# KiCad board SparkFun_BMV080_panelized.kicad_pcb (continued)
## Routing (per net, layer and track width the routed paths; a pad name or vN(x,y) marks a point on that pad's centre or on a via; arc(x,y) is an arc through that point)
3.3V: length 2574.1
  Top w0.2: v1(89.89,77.54) 89.89,76.83 89.56,76.51 R1#40.1 88.78,76.25 86.76,76.25 R2#28.1 ; U1#5.10 82.22,54.44 82.04,54.26 C1#38.1 ; R2#45.1 136.02,10.25 138.04,10.25 R1#29.1 138.82,10.51 139.15,10.83 v1(139.15,11.54) ; C1#19.1 v1(57.41,54.5) C2#27.1 ; C1#19.1 57.41,54.26 57.59,54.44 58.55,54.44 ; C1#19.1 57.59,55.04 58.55,55.04 ; C1#6.1 v1(8.15,94.1) C2#20.1 ; C1#6.1 8.15,93.86 8.33,94.04 U1#33.10 ; C1#6.1 8.33,94.64 U1#33.8 ; R2#12.1 12.87,76.25 14.89,76.25 R1#49.1 15.67,76.51 16,76.83 v1(16,77.54) ; R2#46.1 136.02,115.85 138.04,115.85 R1#47.1 138.82,116.11 139.15,116.43 v1(139.15,117.14) ; C2#30.1 v1(82.04,41.3) C1#29.1 ; R2#35.1 86.76,102.65 88.78,102.65 R1#33.1 89.56,102.91 89.89,103.23 v1(89.89,103.94) ; C1#44.1 v1(131.3,107.3) C2#54.1 ; C1#44.1 131.3,107.06 131.48,107.24 U1#21.10 ; C1#44.1 131.48,107.84 U1#21.8 ; R2#48.1 136.02,89.45 138.04,89.45 R1#46.1 138.82,89.71 139.15,90.03 v1(139.15,90.74) ; C1#26.1 82.04,14.66 82.22,14.84 U1#9.10 ; C1#26.1 v1(82.04,14.9) C2#31.1 ; C1#26.1 82.22,15.44 U1#9.8 ; C2#36.1 v1(131.3,54.5) C1#51.1 ; C1#4.1 32.96,41.84 U1#46.8 ; C1#4.1 v1(32.78,41.3) C2#21.1 ; C1#4.1 32.78,41.06 32.96,41.24 U1#46.10 ; v1(45.58,38.89) 45.58,37.43 46.12,36.89 46.96,36.89 46.96,36.89 R4#4.1 ; U1#19.10 106.85,120.44 106.67,120.26 C1#49.1 ; R2#27.1 86.76,89.45 88.78,89.45 R1#31.1 89.56,89.71 89.89,90.03 v1(89.89,90.74) ; C1#31.1 82.04,107.06 82.22,107.24 U1#10.10 ; C1#31.1 82.22,107.84 U1#10.8 ; C1#31.1 v1(82.04,107.3) C2#46.1 ; R2#10.1 12.87,49.85 14.89,49.85 R1#48.1 15.67,50.11 16,50.43 v1(16,51.14) ; U1#37.8 8.33,107.84 C1#15.1 ; C2#12.1 v1(8.15,67.7) C1#14.1 ; v1(65.26,51.14) 65.26,50.43 64.93,50.11 R1#20.1 64.15,49.85 62.13,49.85 R2#23.1 ; R2#5.1 37.5,89.45 39.52,89.45 R1#11.1 40.3,89.71 40.63,90.03 v1(40.63,90.74) ; C2#33.1 v1(82.04,94.1) C1#39.1 ; C1#17.1 32.78,107.06 32.96,107.24 U1#53.10 ; C1#17.1 v1(32.78,107.3) C2#17.1 ; C1#17.1 32.96,107.84 U1#53.8 ; C1#52.1 131.48,68.24 U1#22.8 ; C1#52.1 131.3,67.46 131.48,67.64 U1#22.10 ; C1#52.1 v1(131.3,67.7) C2#45.1 ; R4#24.1 120.85,63.29 120.85,63.29 120.01,63.29 119.47,63.83 v1(119.47,65.29) ; v1(65.26,11.54) 65.26,10.83 64.93,10.51 R1#2.1 64.15,10.25 62.13,10.25 R2#22.1 ; C1#29.1 82.22,41.84 U1#16.8 ; C1#29.1 82.04,41.06 82.22,41.24 U1#16.10 ; R2#54.1 12.87,10.25 14.89,10.25 R1#54.1 15.67,10.51 16,10.83 v1(16,11.54) ; v1(119.47,38.89) 119.47,37.43 120.01,36.89 120.85,36.89 120.85,36.89 R4#40.1 ; v1(114.52,117.14) 114.52,116.43 114.19,116.11 R1#42.1 113.41,115.85 111.39,115.85 R2#49.1 ; U1#29.8 8.33,41.84 C1#3.1 ; C1#32.1 57.41,93.86 57.59,94.04 58.55,94.04 ; C1#32.1 v1(57.41,94.1) C2#24.1 ; C1#32.1 57.59,94.64 58.55,94.64 ; C1#37.1 v1(57.41,80.9) C2#29.1 ; C1#37.1 57.41,80.66 57.59,80.84 58.55,80.84 ; C1#37.1 57.59,81.44 58.55,81.44 ; R4#30.1 96.22,23.69 96.22,23.69 95.38,23.69 94.84,24.23 v1(94.84,25.69) ; U1#7.8 82.22,68.24 C1#30.1 ; v1(20.95,91.69) 20.95,90.23 21.49,89.69 22.33,89.69 22.33,89.69 R4#7.1 ; v1(20.95,78.49) 20.95,77.03 21.49,76.49 22.33,76.49 22.33,76.49 R4#6.1 ; C1#40.1 v1(106.67,41.3) C2#47.1 ; C1#40.1 106.67,41.06 106.85,41.24 U1#18.10 ; C1#40.1 106.85,41.84 U1#18.8 ; C2#3.1 v1(8.15,41.3) C1#3.1 ; R2#9.1 37.5,76.25 39.52,76.25 R1#9.1 40.3,76.51 40.63,76.83 v1(40.63,77.54) ; v1(139.15,37.94) 139.15,37.23 138.82,36.91 R1#26.1 138.04,36.65 136.02,36.65 R2#47.1 ; v1(65.26,37.94) 65.26,37.23 64.93,36.91 R1#19.1 64.15,36.65 62.13,36.65 R2#21.1 ; 58.55,41.84 57.59,41.84 C1#25.1 ; U1#13.8 106.85,55.04 C1#36.1 ; v1(65.26,103.94) 65.26,103.23 64.93,102.91 R1#4.1 64.15,102.65 62.13,102.65 R2#18.1 ; v1(94.84,12.49) 94.84,11.03 95.38,10.49 96.22,10.49 96.22,10.49 R4#36.1 ; C1#9.1 8.15,54.26 8.33,54.44 U1#30.10 ; C1#9.1 8.33,55.04 U1#30.8 ; C1#9.1 v1(8.15,54.5) C2#8.1 ; U1#28.10 131.48,80.84 131.3,80.66 C1#43.1 ; U1#20.10 131.48,120.44 131.3,120.26 C1#53.1 ; R4#46.1 120.85,102.89 120.85,102.89 120.01,102.89 119.47,103.43 v1(119.47,104.89) ; R2#14.1 12.87,36.65 14.89,36.65 R1#53.1 15.67,36.91 16,37.23 v1(16,37.94) ; v1(144.1,78.49) 144.1,77.03 144.64,76.49 145.48,76.49 145.48,76.49 R4#47.1 ; v1(144.1,12.49) 144.1,11.03 144.64,10.49 145.48,10.49 145.48,10.49 R4#52.1 ; U1#25.10 131.48,14.84 131.3,14.66 C1#42.1 ; R2#34.1 86.76,10.25 88.78,10.25 R1#23.1 89.56,10.51 89.89,10.83 v1(89.89,11.54) ; C1#36.1 v1(106.67,54.5) C2#48.1 ; C1#36.1 106.67,54.26 106.85,54.44 U1#13.10 ; U1#49.8 32.96,81.44 C1#5.1 ; U1#24.10 131.48,54.44 131.3,54.26 C1#51.1 ; v1(65.26,24.74) 65.26,24.03 64.93,23.71 R1#18.1 64.15,23.45 62.13,23.45 R2#20.1 ; C1#15.1 v1(8.15,107.3) C2#19.1 ; C1#15.1 8.15,107.06 8.33,107.24 U1#37.10 ; U1#4.10 82.22,28.04 82.04,27.86 C1#24.1 ; R2#15.1 37.5,10.25 39.52,10.25 R1#15.1 40.3,10.51 40.63,10.83 v1(40.63,11.54) ; U1#47.8 8.33,121.04 C1.1 ; U1#2.10 106.85,28.04 106.67,27.86 C1#35.1 ; v1(45.58,12.49) 45.58,11.03 46.12,10.49 46.96,10.49 46.96,10.49 R4#8.1 ; U1#23.8 131.48,41.84 C1#50.1 ; C1#16.1 32.78,67.46 32.96,67.64 U1#48.10 ; C1#16.1 32.96,68.24 U1#48.8 ; C1#16.1 v1(32.78,67.7) C2#7.1 ; 58.55,107.84 57.59,107.84 C1#33.1 ; U1#6.8 82.22,81.44 C1#21.1 ; C1#54.1 v1(8.15,14.9) C2.1 ; C1#54.1 8.33,15.44 U1#54.8 ; C1#54.1 8.15,14.66 8.33,14.84 U1#54.10 ; U1#32.10 8.33,80.84 8.15,80.66 C1#10.1 ; U1#2.8 106.85,28.64 C1#35.1 ; U1#26.8 131.48,28.64 C1#46.1 ; C1#24.1 v1(82.04,28.1) C2#26.1 ; C1#24.1 82.22,28.64 U1#4.8 ; U1#51.8 32.96,121.04 C1#18.1 ; v1(65.26,64.34) 65.26,63.63 64.93,63.31 R1#3.1 64.15,63.05 62.13,63.05 R2#24.1 ; C1#35.1 v1(106.67,28.1) C2#50.1 ; C2#13.1 v1(32.78,120.5) C1#18.1 ; C1#42.1 v1(131.3,14.9) C2#43.1 ; C1#42.1 131.48,15.44 U1#25.8 ; v1(16,64.34) 16,63.63 15.67,63.31 R1#51.1 14.89,63.05 12.87,63.05 R2#11.1 ; U1#12.10 106.85,14.84 106.67,14.66 C1#34.1 ; R2#37.1 62.13,115.85 64.15,115.85 R1#22.1 64.93,116.11 65.26,116.43 v1(65.26,117.14) ; C1#28.1 57.41,120.26 57.59,120.44 58.55,120.44 ; C1#28.1 57.59,121.04 58.55,121.04 ; C1#28.1 v1(57.41,120.5) C2#25.1 ; C2#5.1 v1(57.41,41.3) C1#25.1 ; R2#8.1 37.5,49.85 39.52,49.85 R1#14.1 40.3,50.11 40.63,50.43 v1(40.63,51.14) ; v1(94.84,91.69) 94.84,90.23 95.38,89.69 96.22,89.69 96.22,89.69 R4#26.1 ; C1#21.1 82.04,80.66 82.22,80.84 U1#6.10 ; C1#21.1 v1(82.04,80.9) C2#49.1 ; C1#12.1 32.96,28.64 U1#36.8 ; C1#12.1 v1(32.78,28.1) C2#18.1 ; C1#12.1 32.78,27.86 32.96,28.04 U1#36.10 ; R2#6.1 37.5,102.65 39.52,102.65 R1#16.1 40.3,102.91 40.63,103.23 v1(40.63,103.94) ; v1(20.95,65.29) 20.95,63.83 21.49,63.29 22.33,63.29 22.33,63.29 R4#10.1 ; C2#6.1 v1(8.15,80.9) C1#10.1 ; U1#44.8 32.96,55.04 C1#13.1 ; C1#46.1 131.3,27.86 131.48,28.04 U1#26.10 ; C1#46.1 v1(131.3,28.1) C2#35.1 ; v1(89.89,117.14) 89.89,116.43 89.56,116.11 R1#27.1 88.78,115.85 86.76,115.85 R2#30.1 ; v1(139.15,77.54) 139.15,76.83 138.82,76.51 R1#44.1 138.04,76.25 136.02,76.25 R2#50.1 ; v1(114.52,90.74) 114.52,90.03 114.19,89.71 R1#36.1 113.41,89.45 111.39,89.45 R2#41.1 ; R4#32.1 96.22,63.29 96.22,63.29 95.38,63.29 94.84,63.83 v1(94.84,65.29) ; C2#53.1 v1(131.3,80.9) C1#43.1 ; C1#3.1 8.15,41.06 8.33,41.24 U1#29.10 ; v1(16,24.74) 16,24.03 15.67,23.71 R1#50.1 14.89,23.45 12.87,23.45 R2#4.1 ; U1#14.8 106.85,68.24 C1#23.1 ; C1#11.1 32.96,15.44 U1#35.8 ; C1#11.1 32.78,14.66 32.96,14.84 U1#35.10 ; C1#11.1 v1(32.78,14.9) C2#11.1 ; C2#14.1 v1(32.78,54.5) C1#13.1 ; R4#17.1 46.96,76.49 46.96,76.49 46.12,76.49 45.58,77.03 v1(45.58,78.49) ; v1(70.21,25.69) 70.21,24.23 70.75,23.69 71.59,23.69 71.59,23.69 R4#3.1 ; C1#50.1 v1(131.3,41.3) C2#52.1 ; C1#50.1 131.3,41.06 131.48,41.24 U1#23.10 ; R4#25.1 120.85,89.69 120.85,89.69 120.01,89.69 119.47,90.23 v1(119.47,91.69) ; C1#13.1 32.78,54.26 32.96,54.44 U1#44.10 ; v1(40.63,64.34) 40.63,63.63 40.3,63.31 R1#5.1 39.52,63.05 37.5,63.05 R2#3.1 ; 58.55,28.04 57.59,28.04 57.41,27.86 C1#20.1 ; R2#31.1 111.39,63.05 113.41,63.05 R1#38.1 114.19,63.31 114.52,63.63 v1(114.52,64.34) ; C2#23.1 v1(57.41,67.7) C1#27.1 ; v1(144.1,65.29) 144.1,63.83 144.64,63.29 145.48,63.29 145.48,63.29 R4#44.1 ; U1#28.8 131.48,81.44 C1#43.1 ; R4#21.1 96.22,102.89 96.22,102.89 95.38,102.89 94.84,103.43 v1(94.84,104.89) ; v1(119.47,25.69) 119.47,24.23 120.01,23.69 120.85,23.69 120.85,23.69 R4#22.1 ; R2#26.1 111.39,102.65 113.41,102.65 R1#25.1 114.19,102.91 114.52,103.23 v1(114.52,103.94) ; C1#20.1 v1(57.41,28.1) C2#22.1 ; C1#20.1 57.59,28.64 58.55,28.64 ; R4#14.1 46.96,116.09 46.96,116.09 46.12,116.09 45.58,116.63 v1(45.58,118.09) ; C1#49.1 106.85,121.04 U1#19.8 ; C1#49.1 v1(106.67,120.5) C2#44.1 ; v1(114.52,51.14) 114.52,50.43 114.19,50.11 R1#35.1 113.41,49.85 111.39,49.85 R2#42.1 ; C1#18.1 32.78,120.26 32.96,120.44 U1#51.10 ; R2#7.1 37.5,115.85 39.52,115.85 R1#17.1 40.3,116.11 40.63,116.43 v1(40.63,117.14) ; v1(65.26,90.74) 65.26,90.03 64.93,89.71 R1#6.1 64.15,89.45 62.13,89.45 R2#25.1 ; v1(40.63,37.94) 40.63,37.23 40.3,36.91 R1#12.1 39.52,36.65 37.5,36.65 R2#2.1 ; R4#37.1 71.59,76.49 71.59,76.49 70.75,76.49 70.21,77.03 v1(70.21,78.49) ; R4#20.1 71.59,116.09 71.59,116.09 70.75,116.09 70.21,116.63 v1(70.21,118.09) ; v1(114.52,77.54) 114.52,76.83 114.19,76.51 R1.1 113.41,76.25 111.39,76.25 R2#43.1 ; C1#53.1 v1(131.3,120.5) C2#38.1 ; C1#53.1 131.48,121.04 U1#20.8 ; v1(70.21,104.89) 70.21,103.43 70.75,102.89 71.59,102.89 71.59,102.89 R4#29.1 ; v1(16,117.14) 16,116.43 15.67,116.11 R1#13.1 14.89,115.85 12.87,115.85 R2#13.1 ; U1#11.8 82.22,121.04 C1#22.1 ; R4#27.1 96.22,36.89 96.22,36.89 95.38,36.89 94.84,37.43 v1(94.84,38.89) ; v1(65.26,77.54) 65.26,76.83 64.93,76.51 R1#21.1 64.15,76.25 62.13,76.25 R2#19.1 ; C1#30.1 82.04,67.46 82.22,67.64 U1#7.10 ; C1#30.1 v1(82.04,67.7) C2#15.1 ; C1#51.1 131.48,55.04 U1#24.8 ; v1(20.95,25.69) 20.95,24.23 21.49,23.69 22.33,23.69 22.33,23.69 R4.1 ; R4#51.1 145.48,89.69 145.48,89.69 144.64,89.69 144.1,90.23 v1(144.1,91.69) ; U1#27.10 131.48,94.04 131.3,93.86 C1#41.1 ; R4#18.1 22.33,50.09 22.33,50.09 21.49,50.09 20.95,50.63 v1(20.95,52.09) ; 58.55,67.64 57.59,67.64 57.41,67.46 C1#27.1 ; v1(94.84,118.09) 94.84,116.63 95.38,116.09 96.22,116.09 96.22,116.09 R4#23.1 ; U1#32.8 8.33,81.44 C1#10.1 ; R4#48.1 120.85,116.09 120.85,116.09 120.01,116.09 119.47,116.63 v1(119.47,118.09) ; C1#48.1 106.85,107.84 U1.8 ; C1#48.1 106.67,107.06 106.85,107.24 U1.10 ; C1#48.1 v1(106.67,107.3) C2#40.1 ; v1(94.84,52.09) 94.84,50.63 95.38,50.09 96.22,50.09 96.22,50.09 R4#31.1 ; v1(94.84,78.49) 94.84,77.03 95.38,76.49 96.22,76.49 96.22,76.49 R4#38.1 ; v1(45.58,25.69) 45.58,24.23 46.12,23.69 46.96,23.69 46.96,23.69 R4#12.1 ; C1#14.1 8.15,67.46 8.33,67.64 U1#31.10 ; C1#14.1 8.33,68.24 U1#31.8 ; C1#39.1 82.22,94.64 U1#17.8 ; C1#39.1 82.04,93.86 82.22,94.04 U1#17.10 ; R4#45.1 145.48,102.89 145.48,102.89 144.64,102.89 144.1,103.43 v1(144.1,104.89) ; R2#52.1 136.02,49.85 138.04,49.85 R1#43.1 138.82,50.11 139.15,50.43 v1(139.15,51.14) ; C1#45.1 106.85,81.44 U1#15.8 ; C1#45.1 106.67,80.66 106.85,80.84 U1#15.10 ; C1#45.1 v1(106.67,80.9) C2#34.1 ; v1(20.95,12.49) 20.95,11.03 21.49,10.49 22.33,10.49 22.33,10.49 R4#54.1 ; v1(89.89,37.94) 89.89,37.23 89.56,36.91 R1#7.1 88.78,36.65 86.76,36.65 R2#38.1 ; v1(119.47,12.49) 119.47,11.03 120.01,10.49 120.85,10.49 120.85,10.49 R4#39.1 ; C2#32.1 v1(82.04,54.5) C1#38.1 ; C2#37.1 v1(131.3,94.1) C1#41.1 ; C1#8.1 8.33,28.64 U1#34.8 ; C1#8.1 8.15,27.86 8.33,28.04 U1#34.10 ; C1#8.1 v1(8.15,28.1) C2#2.1 ; C1#22.1 v1(82.04,120.5) C2#39.1 ; C1#22.1 82.04,120.26 82.22,120.44 U1#11.10 ; v1(114.52,37.94) 114.52,37.23 114.19,36.91 R1#41.1 113.41,36.65 111.39,36.65 R2#33.1 ; C1#25.1 57.41,41.06 57.59,41.24 58.55,41.24 ; C1#41.1 131.48,94.64 U1#27.8 ; R2#16.1 12.87,89.45 14.89,89.45 R1#52.1 15.67,89.71 16,90.03 v1(16,90.74) ; v1(45.58,65.29) 45.58,63.83 46.12,63.29 46.96,63.29 46.96,63.29 R4#9.1 ; R2#44.1 136.02,23.45 138.04,23.45 R1#28.1 138.82,23.71 139.15,24.03 v1(139.15,24.74) ; v1(45.58,104.89) 45.58,103.43 46.12,102.89 46.96,102.89 46.96,102.89 R4#16.1 ; R4#50.1 145.48,116.09 145.48,116.09 144.64,116.09 144.1,116.63 v1(144.1,118.09) ; C1.1 v1(8.15,120.5) C2#16.1 ; C1.1 8.15,120.26 8.33,120.44 U1#47.10 ; R4#19.1 46.96,50.09 46.96,50.09 46.12,50.09 45.58,50.63 v1(45.58,52.09) ; U1#3.10 106.85,94.04 106.67,93.86 C1#47.1 ; C1#33.1 57.41,107.06 57.59,107.24 58.55,107.24 ; C1#33.1 v1(57.41,107.3) C2#28.1 ; U1#3.8 106.85,94.64 C1#47.1 ; v1(119.47,52.09) 119.47,50.63 120.01,50.09 120.85,50.09 120.85,50.09 R4#41.1 ; v1(20.95,104.89) 20.95,103.43 21.49,102.89 22.33,102.89 22.33,102.89 R4#11.1 ; C1#38.1 82.22,55.04 U1#5.8 ; R2#17.1 37.5,23.45 39.52,23.45 R1#10.1 40.3,23.71 40.63,24.03 v1(40.63,24.74) ; R2#29.1 86.76,63.05 88.78,63.05 R1#37.1 89.56,63.31 89.89,63.63 v1(89.89,64.34) ; C2#42.1 v1(106.67,14.9) C1#34.1 ; C2#51.1 v1(106.67,94.1) C1#47.1 ; C1#23.1 106.67,67.46 106.85,67.64 U1#14.10 ; C1#23.1 v1(106.67,67.7) C2#41.1 ; R2.1 12.87,102.65 14.89,102.65 R1#8.1 15.67,102.91 16,103.23 v1(16,103.94) ; R4#33.1 71.59,50.09 71.59,50.09 70.75,50.09 70.21,50.63 v1(70.21,52.09) ; C1#7.1 32.96,94.64 U1#50.8 ; C1#7.1 v1(32.78,94.1) C2#10.1 ; C1#7.1 32.78,93.86 32.96,94.04 U1#50.10 ; v1(144.1,25.69) 144.1,24.23 144.64,23.69 145.48,23.69 145.48,23.69 R4#43.1 ; R4#13.1 46.96,89.69 46.96,89.69 46.12,89.69 45.58,90.23 v1(45.58,91.69) ; C1#5.1 v1(32.78,80.9) C2#9.1 ; C1#5.1 32.78,80.66 32.96,80.84 U1#49.10 ; C1#34.1 106.85,15.44 U1#12.8 ; v1(89.89,24.74) 89.89,24.03 89.56,23.71 R1#24.1 88.78,23.45 86.76,23.45 R2#36.1 ; 58.55,68.24 57.59,68.24 C1#27.1 ; C1#2.1 57.59,15.44 58.55,15.44 ; C1#2.1 57.41,14.66 57.59,14.84 58.55,14.84 ; C1#2.1 v1(57.41,14.9) C2#4.1 ; R2#39.1 86.76,49.85 88.78,49.85 R1#32.1 89.56,50.11 89.89,50.43 v1(89.89,51.14) ; v1(70.21,65.29) 70.21,63.83 70.75,63.29 71.59,63.29 71.59,63.29 R4#35.1 ; R4#53.1 145.48,50.09 145.48,50.09 144.64,50.09 144.1,50.63 v1(144.1,52.09) ; R4#28.1 71.59,89.69 71.59,89.69 70.75,89.69 70.21,90.23 v1(70.21,91.69) ; R2#40.1 111.39,10.25 113.41,10.25 R1#39.1 114.19,10.51 114.52,10.83 v1(114.52,11.54) ; R2#51.1 136.02,102.65 138.04,102.65 R1#30.1 138.82,102.91 139.15,103.23 v1(139.15,103.94) ; R4#49.1 145.48,36.89 145.48,36.89 144.64,36.89 144.1,37.43 v1(144.1,38.89) ; R4#34.1 71.59,36.89 71.59,36.89 70.75,36.89 70.21,37.43 v1(70.21,38.89) ; v1(20.95,38.89) 20.95,37.43 21.49,36.89 22.33,36.89 22.33,36.89 R4#5.1 ; R4#42.1 120.85,76.49 120.85,76.49 120.01,76.49 119.47,77.03 v1(119.47,78.49) ; R4#2.1 22.33,116.09 22.33,116.09 21.49,116.09 20.95,116.63 v1(20.95,118.09) ; R4#15.1 71.59,10.49 71.59,10.49 70.75,10.49 70.21,11.03 v1(70.21,12.49) ; R2#32.1 111.39,23.45 113.41,23.45 R1#34.1 114.19,23.71 114.52,24.03 v1(114.52,24.74) ; v1(139.15,64.34) 139.15,63.63 138.82,63.31 R1#45.1 138.04,63.05 136.02,63.05 R2#53.1
  Top w0.203: 110.25,43.94 110.83,43.94 v1(111.13,43.64) 110.83,43.34 110.25,43.34 ; U1#39.1 61.57,43.94 v1(61.87,43.64) 61.57,43.34 U1#39.3 ; U1#46.1 36.94,43.94 v1(37.24,43.64) 36.94,43.34 U1#46.3 ; U1#50.1 36.94,96.74 v1(37.24,96.44) 36.94,96.14 U1#50.3 ; 110.25,123.14 110.83,123.14 v1(111.13,122.84) 110.83,122.54 110.25,122.54 ; U1#53.3 36.94,109.34 v1(37.24,109.64) 36.94,109.94 U1#53.1 ; U1#4.3 86.2,30.14 v1(86.5,30.44) 86.2,30.74 U1#4.1 ; U1#31.3 12.31,69.74 v1(12.61,70.04) 12.31,70.34 U1#31.1 ; U1#24.1 135.46,57.14 v1(135.76,56.84) 135.46,56.54 U1#24.3 ; 110.25,109.94 110.83,109.94 v1(111.13,109.64) 110.83,109.34 110.25,109.34 ; U1#6.3 86.2,82.94 v1(86.5,83.24) 86.2,83.54 U1#6.1 ; U1#16.3 86.2,43.34 v1(86.5,43.64) 86.2,43.94 U1#16.1 ; U1#38.3 61.57,30.14 v1(61.87,30.44) 61.57,30.74 U1#38.1 ; U1#43.1 61.57,70.34 v1(61.87,70.04) 61.57,69.74 U1#43.3 ; 110.25,69.74 110.83,69.74 v1(111.13,70.04) 110.83,70.34 110.25,70.34 ; 110.25,83.54 110.83,83.54 v1(111.13,83.24) 110.83,82.94 110.25,82.94 ; U1#29.3 12.31,43.34 v1(12.61,43.64) 12.31,43.94 U1#29.1 ; U1#9.1 86.2,17.54 v1(86.5,17.24) 86.2,16.94 U1#9.3 ; U1#52.3 61.57,16.94 v1(61.87,17.24) 61.57,17.54 U1#52.1 ; U1#42.1 61.57,109.94 v1(61.87,109.64) 61.57,109.34 U1#42.3 ; U1#36.3 36.94,30.14 v1(37.24,30.44) 36.94,30.74 U1#36.1 ; U1#35.1 36.94,17.54 v1(37.24,17.24) 36.94,16.94 U1#35.3 ; U1#32.1 12.31,83.54 v1(12.61,83.24) 12.31,82.94 U1#32.3 ; U1#23.1 135.46,43.94 v1(135.76,43.64) 135.46,43.34 U1#23.3 ; U1#27.3 135.46,96.14 v1(135.76,96.44) 135.46,96.74 U1#27.1 ; 110.25,30.74 110.83,30.74 v1(111.13,30.44) 110.83,30.14 110.25,30.14 ; U1#11.3 86.2,122.54 v1(86.5,122.84) 86.2,123.14 U1#11.1 ; U1#21.1 135.46,109.94 v1(135.76,109.64) 135.46,109.34 U1#21.3 ; U1#33.1 12.31,96.74 v1(12.61,96.44) 12.31,96.14 U1#33.3 ; 110.25,96.14 110.83,96.14 v1(111.13,96.44) 110.83,96.74 110.25,96.74 ; U1#17.3 86.2,96.14 v1(86.5,96.44) 86.2,96.74 U1#17.1 ; U1#22.1 135.46,70.34 v1(135.76,70.04) 135.46,69.74 U1#22.3 ; U1#37.3 12.31,109.34 v1(12.61,109.64) 12.31,109.94 U1#37.1 ; 110.25,17.54 110.83,17.54 v1(111.13,17.24) 110.83,16.94 110.25,16.94 ; U1#54.1 12.31,17.54 v1(12.61,17.24) 12.31,16.94 U1#54.3 ; U1#47.1 12.31,123.14 v1(12.61,122.84) 12.31,122.54 U1#47.3 ; U1#5.3 86.2,56.54 v1(86.5,56.84) 86.2,57.14 U1#5.1 ; U1#10.1 86.2,109.94 v1(86.5,109.64) 86.2,109.34 U1#10.3 ; U1#44.3 36.94,56.54 v1(37.24,56.84) 36.94,57.14 U1#44.1 ; U1#45.3 61.57,96.14 v1(61.87,96.44) 61.57,96.74 U1#45.1 ; U1#26.1 135.46,30.74 v1(135.76,30.44) 135.46,30.14 U1#26.3 ; U1#40.1 61.57,57.14 v1(61.87,56.84) 61.57,56.54 U1#40.3 ; U1#28.1 135.46,83.54 v1(135.76,83.24) 135.46,82.94 U1#28.3 ; U1#20.1 135.46,123.14 v1(135.76,122.84) 135.46,122.54 U1#20.3 ; U1#25.1 135.46,17.54 v1(135.76,17.24) 135.46,16.94 U1#25.3 ; 110.25,57.14 110.83,57.14 v1(111.13,56.84) 110.83,56.54 110.25,56.54 ; U1#30.3 12.31,56.54 v1(12.61,56.84) 12.31,57.14 U1#30.1 ; U1#41.1 61.57,83.54 v1(61.87,83.24) 61.57,82.94 U1#41.3 ; U1#34.3 12.31,30.14 v1(12.61,30.44) 12.31,30.74 U1#34.1 ; U1#48.1 36.94,70.34 v1(37.24,70.04) 36.94,69.74 U1#48.3 ; U1#7.1 86.2,70.34 v1(86.5,70.04) 86.2,69.74 U1#7.3 ; U1#49.1 36.94,83.54 v1(37.24,83.24) 36.94,82.94 U1#49.3 ; U1#8.1 61.57,123.14 v1(61.87,122.84) 61.57,122.54 U1#8.3 ; U1#51.1 36.94,123.14 v1(37.24,122.84) 36.94,122.54 U1#51.3
  Bottom w0.2: 111.8,15.74 111.62,15.56 108.4,15.56 107.74,14.9 v1(106.67,14.9) ; v1(131.3,54.5) 132.37,54.5 133.03,55.16 136.25,55.16 136.43,55.34 ; 37.91,108.14 37.73,107.96 34.51,107.96 33.85,107.3 v1(32.78,107.3) ; 37.91,28.94 37.73,28.76 34.51,28.76 33.85,28.1 v1(32.78,28.1) ; JP4#40.2 118.62,52.14 118.69,52.08 ; 37.91,55.34 37.73,55.16 34.51,55.16 33.85,54.5 v1(32.78,54.5) ; 94.05,118.08 93.99,118.14 JP4#30.2 ; JP4#48.2 143.25,78.54 143.31,78.48 ; v1(131.3,14.9) 132.37,14.9 133.03,15.56 136.25,15.56 136.43,15.74 ; JP4#51.2 143.25,104.94 143.31,104.88 ; JP4#42.2 118.62,25.74 118.69,25.68 ; 20.17,104.88 20.1,104.94 JP4#9.2 ; 87.17,81.74 86.99,81.56 83.77,81.56 83.11,80.9 v1(82.04,80.9) ; v1(32.78,67.7) 33.85,67.7 34.51,68.36 37.73,68.36 37.91,68.54 ; 143.31,12.48 143.25,12.54 JP4#43.2 ; 44.8,78.48 44.73,78.54 JP4#19.2 ; JP4#22.2 44.73,104.94 44.8,104.88 ; 44.8,12.48 44.73,12.54 JP4#3.2 ; 20.17,118.08 20.1,118.14 JP4#10.2 ; 69.42,38.88 69.36,38.94 JP4#24.2 ; v1(131.3,120.5) 132.37,120.5 133.03,121.16 136.25,121.16 136.43,121.34 ; 87.17,68.54 86.99,68.36 83.77,68.36 83.11,67.7 v1(82.04,67.7) ; JP4#16.2 69.36,65.34 69.42,65.28 ; JP4#39.2 118.62,118.14 118.69,118.08 ; JP4#12.2 93.99,25.74 94.05,25.68 ; 62.54,55.34 62.36,55.16 59.14,55.16 58.48,54.5 v1(57.41,54.5) ; 118.69,12.48 118.62,12.54 JP4#37.2 ; 118.69,78.48 118.62,78.54 JP4#33.2 ; v1(131.3,41.3) 132.37,41.3 133.03,41.96 136.25,41.96 136.43,42.14 ; 87.17,55.34 86.99,55.16 83.77,55.16 83.11,54.5 v1(82.04,54.5) ; v1(8.15,80.9) 9.22,80.9 9.88,81.56 13.1,81.56 13.28,81.74 ; 69.42,12.48 69.36,12.54 JP4#14.2 ; JP4#26.2 69.36,118.14 69.42,118.08 ; 20.17,91.68 20.1,91.74 JP4#4.2 ; JP4#47.2 93.99,91.74 94.05,91.68 ; 136.43,28.94 136.25,28.76 133.03,28.76 132.37,28.1 v1(131.3,28.1) ; 118.69,104.88 118.62,104.94 JP4#35.2 ; 37.91,81.74 37.73,81.56 34.51,81.56 33.85,80.9 v1(32.78,80.9) ; v1(131.3,67.7) 132.37,67.7 133.03,68.36 136.25,68.36 136.43,68.54 ; v1(131.3,94.1) 132.37,94.1 133.03,94.76 136.25,94.76 136.43,94.94 ; 69.42,52.08 69.36,52.14 JP4#11.2 ; v1(32.78,41.3) 33.85,41.3 34.51,41.96 37.73,41.96 37.91,42.14 ; 143.31,91.68 143.25,91.74 JP4#54.2 ; 111.8,68.54 111.62,68.36 108.4,68.36 107.74,67.7 v1(106.67,67.7) ; v1(106.67,107.3) 107.74,107.3 108.4,107.96 111.62,107.96 111.8,108.14 ; 62.54,121.34 62.36,121.16 59.14,121.16 58.48,120.5 v1(57.41,120.5) ; JP4#15.2 69.36,25.74 69.42,25.68 ; JP4#53.2 143.25,65.34 143.31,65.28 ; 111.8,94.94 111.62,94.76 108.4,94.76 107.74,94.1 v1(106.67,94.1) ; v1(106.67,28.1) 107.74,28.1 108.4,28.76 111.62,28.76 111.8,28.94 ; 13.28,15.74 13.1,15.56 9.88,15.56 9.22,14.9 v1(8.15,14.9) ; v1(82.04,107.3) 83.11,107.3 83.77,107.96 86.99,107.96 87.17,108.14 ; 13.28,28.94 13.1,28.76 9.88,28.76 9.22,28.1 v1(8.15,28.1) ; JP4#27.2 69.36,104.94 69.42,104.88 ; 69.42,91.68 69.36,91.74 JP4#25.2 ; JP4#28.2 44.73,52.14 44.8,52.08 ; 44.8,91.68 44.73,91.74 JP4#13.2 ; v1(106.67,41.3) 107.74,41.3 108.4,41.96 111.62,41.96 111.8,42.14 ; v1(32.78,120.5) 33.85,120.5 34.51,121.16 37.73,121.16 37.91,121.34 ; JP4#2.2 20.1,78.54 20.17,78.48 ; 62.54,68.54 62.36,68.36 59.14,68.36 58.48,67.7 v1(57.41,67.7) ; JP4#6.2 20.1,38.94 20.17,38.88 ; 13.28,68.54 13.1,68.36 9.88,68.36 9.22,67.7 v1(8.15,67.7) ; 118.69,91.68 118.62,91.74 JP4#34.2 ; 44.8,25.68 44.73,25.74 JP4#18.2 ; JP4#32.2 93.99,104.94 94.05,104.88 ; 37.91,15.74 37.73,15.56 34.51,15.56 33.85,14.9 v1(32.78,14.9) ; 44.8,65.28 44.73,65.34 JP4#21.2 ; v1(8.15,94.1) 9.22,94.1 9.88,94.76 13.1,94.76 13.28,94.94 ; 87.17,94.94 86.99,94.76 83.77,94.76 83.11,94.1 v1(82.04,94.1) ; JP4#36.2 93.99,78.54 94.05,78.48 ; 69.42,78.48 69.36,78.54 JP4#17.2 ; v1(57.41,80.9) 58.48,80.9 59.14,81.56 62.36,81.56 62.54,81.74 ; 136.43,108.14 136.25,107.96 133.03,107.96 132.37,107.3 v1(131.3,107.3) ; 94.05,65.28 93.99,65.34 JP4#45.2 ; v1(57.41,14.9) 58.48,14.9 59.14,15.56 62.36,15.56 62.54,15.74 ; 111.8,121.34 111.62,121.16 108.4,121.16 107.74,120.5 v1(106.67,120.5) ; JP4#49.2 143.25,52.14 143.31,52.08 ; v1(8.15,107.3) 9.22,107.3 9.88,107.96 13.1,107.96 13.28,108.14 ; 13.28,42.14 13.1,41.96 9.88,41.96 9.22,41.3 v1(8.15,41.3) ; 20.17,52.08 20.1,52.14 JP4#7.2 ; 44.8,118.08 44.73,118.14 JP4#23.2 ; v1(8.15,120.5) 9.22,120.5 9.88,121.16 13.1,121.16 13.28,121.34 ; 118.69,65.28 118.62,65.34 JP4#38.2 ; 118.69,38.88 118.62,38.94 JP4#31.2 ; JP4#52.2 143.25,38.94 143.31,38.88 ; v1(82.04,28.1) 83.11,28.1 83.77,28.76 86.99,28.76 87.17,28.94 ; v1(57.41,94.1) 58.48,94.1 59.14,94.76 62.36,94.76 62.54,94.94 ; v1(57.41,41.3) 58.48,41.3 59.14,41.96 62.36,41.96 62.54,42.14 ; v1(8.15,54.5) 9.22,54.5 9.88,55.16 13.1,55.16 13.28,55.34 ; 94.05,38.88 93.99,38.94 JP4#46.2 ; JP4#41.2 93.99,52.14 94.05,52.08 ; 94.05,12.48 93.99,12.54 JP4#29.2 ; 20.17,25.68 20.1,25.74 JP4#5.2 ; 44.8,38.88 44.73,38.94 JP4#20.2 ; 111.8,81.74 111.62,81.56 108.4,81.56 107.74,80.9 v1(106.67,80.9) ; 20.17,65.28 20.1,65.34 JP4#8.2 ; v1(57.41,28.1) 58.48,28.1 59.14,28.76 62.36,28.76 62.54,28.94 ; 87.17,15.74 86.99,15.56 83.77,15.56 83.11,14.9 v1(82.04,14.9) ; 143.31,25.68 143.25,25.74 JP4#44.2 ; 37.91,94.94 37.73,94.76 34.51,94.76 33.85,94.1 v1(32.78,94.1) ; JP4#50.2 143.25,118.14 143.31,118.08 ; JP4.2 20.1,12.54 20.17,12.48 ; 87.17,121.34 86.99,121.16 83.77,121.16 83.11,120.5 v1(82.04,120.5) ; 136.43,81.74 136.25,81.56 133.03,81.56 132.37,80.9 v1(131.3,80.9) ; v1(106.67,54.5) 107.74,54.5 108.4,55.16 111.62,55.16 111.8,55.34 ; v1(57.41,107.3) 58.48,107.3 59.14,107.96 62.36,107.96 62.54,108.14 ; 87.17,42.14 86.99,41.96 83.77,41.96 83.11,41.3 v1(82.04,41.3)